# KiCad board ovc5.kicad_pcb (continued)
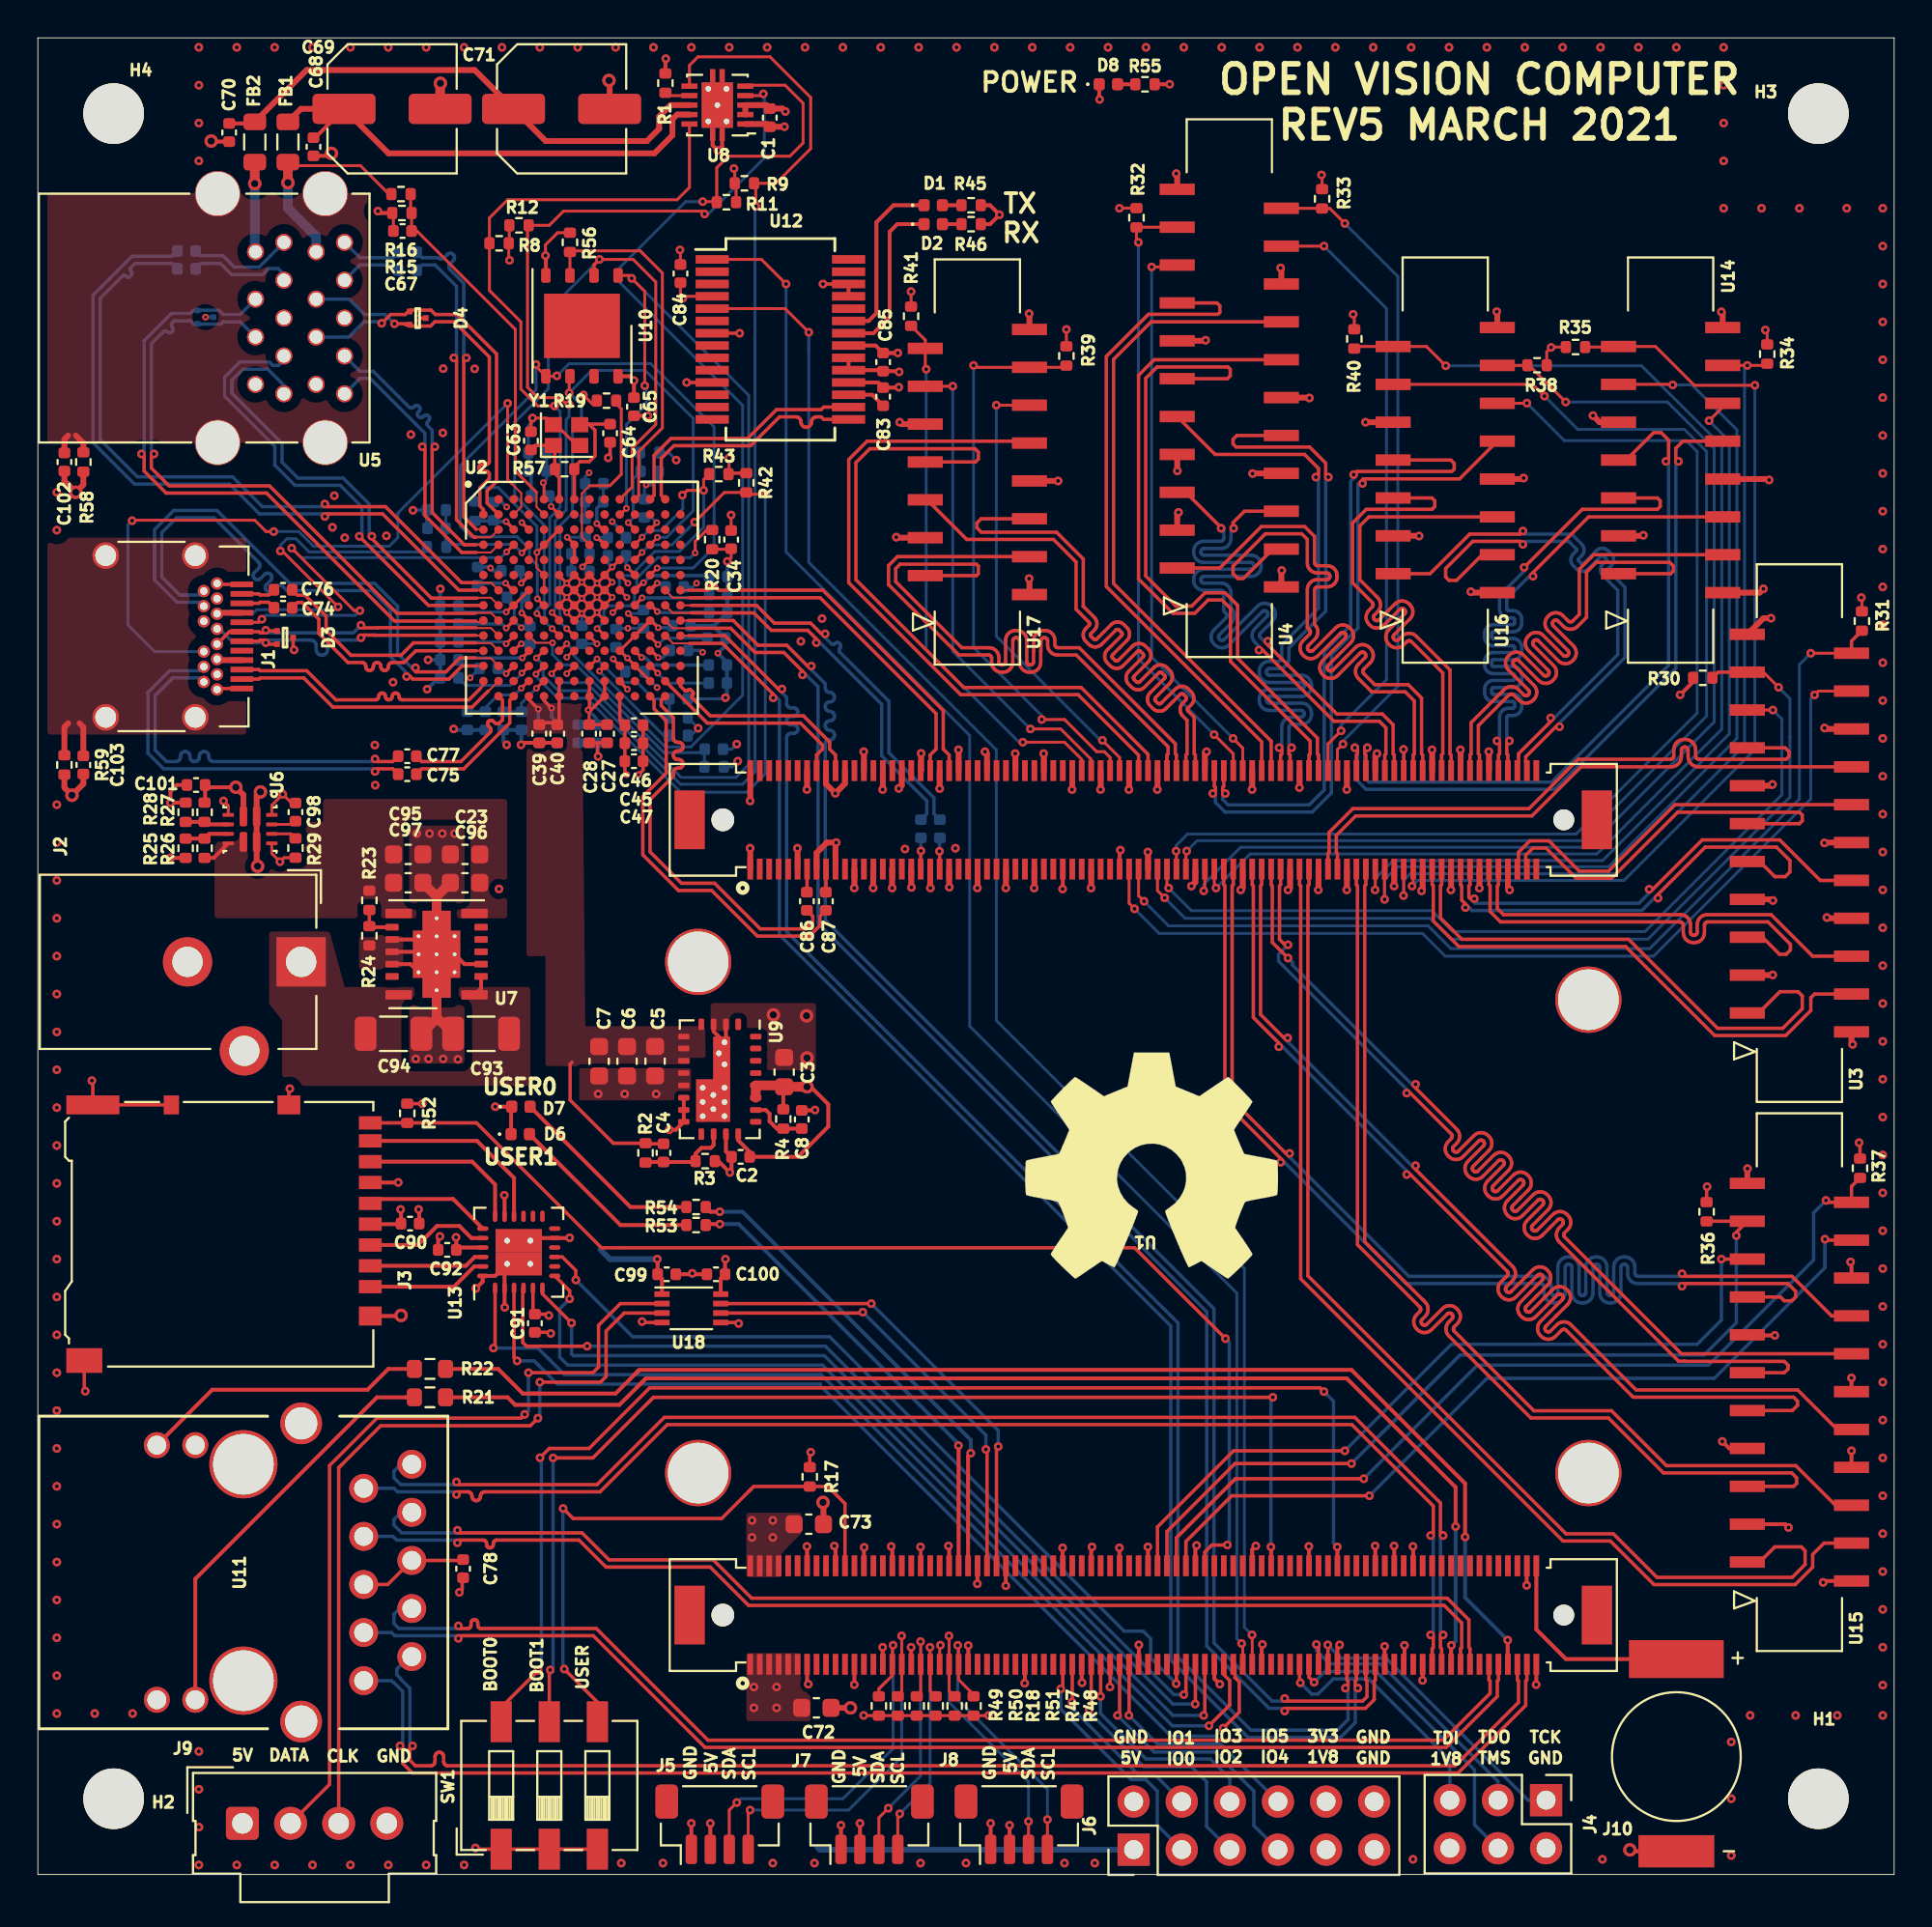
[diagram p0: board, top side]
## Routing (per net, layer and track width the routed paths; a pad name or vN(x,y) marks a point on that pad's centre or on a via; arc(x,y) is an arc through that point) (continued)
/USB/VBUS_MON_P0: length 6.8
  Top w0.152: 25.92,70.17 v2(25.55,69.8)
  Top w0.178: 25.92,70.17 U2.D4 25.92,70.25
  Bottom w0.152: v2(25.55,69.8) 25.1,70.25 21.7,70.25 R13.1 21.53,70.14 C66.1 21.54,71.11 R14.2
/USB/VBUS_MON_P1: length 20
  Top w0.102: U2.B5 26.33,72.22 26.33,73
  Top w0.152: R15.1 19.68,87.8 R16.2 C67.1 20.01,86.8 25.21,81.61 25.21,74.41 25.2,74.4 25.2,74.12 26.33,73
/USB/VBUS_SW_0: length 26
  Top w0.203: C69.1 14.64,91.73 C68.1
  Top w0.305: U8.9 33.75,92.95 33.5,92.7 33.5,91.85 32.55,90.9 18.51,90.9 C69.1 13.89,93.25 FB1.1
/USB/VBUS_SW_1: length 28.2
  Top w0.203: C70.1 11.37,92.48 FB2.1
  Top w0.305: U8.8 33.4,93.45 32.8,92.85 32.8,92.2 32.15,91.55 26.81,91.55 C71.1 23.06,95.3 14.19,95.3 FB2.1
/USB/VDD10: length 5.1
  Top w0.152: v2(31.17,66.6) 31.52,66.25 U2.J11
  Top w0.178: U2.F11 31.13,69.02 v2(31.12,69.02) ; U2.F4 25.92,68.6 v2(25.52,68.2) ; v2(25.55,66.62) 25.92,66.25 U2.J4
  Bottom w0.152: C61.1 31.79,66.6 v2(31.17,66.6)
  Bottom w0.178: C62.1 31.05,69.09 v2(31.12,69.02) ; C59.1 25.52,68.75 v2(25.52,68.2) ; v2(25.55,66.62) 25.55,67.3
GND: length 316.8
  Top w0.152: C67.2 18.77,87.69 R16.1 ; U2.H7 28.32,67 v2(28.72,66.6) ; U2.H7 28.3,67.03 v2(27.92,66.65) ; U2.H7 28.32,67.05 v2(27.92,67.45) ; U2.H7 28.35,67.03 v2(28.72,67.4) ; U6.9 12.35,53.92 v1(12.78,53.49) 12.99,53.7 R29.2 ; U2.H8 29.14,67.03 v2(29.52,66.65) ; U2.H8 29.09,67.03 v2(28.72,67.4) ; U2.H8 29.12,67.05 v2(29.52,67.45) ; U2.H8 29.12,67 v2(28.72,66.6) ; v2(28.72,68.25) 29.1,68.63 U2.F8 29.52,68.23 v2(29.52,68.2) ; v2(28.72,68.25) 28.34,68.63 U2.F7 28.32,68.6 v2(27.92,68.2) ; v2(28.72,68.25) 28.32,67.85 U2.G7 ; v2(28.72,68.25) 29.12,67.85 U2.G8 ; 29.52,77.67 29.27,77.67 v1(28.8,78.14) ; U6.12 12.35,56.47 v1(12.93,57.05) 13.39,56.59 C98.2 ; U2.G9 29.9,67.83 v2(29.52,67.45) ; U2.G9 29.94,67.83 v2(30.32,67.45) 29.92,67.05 ; U2.G9 29.92,67.85 v2(30.32,68.25) 29.94,68.63 U2.F9 ; U2.G9 29.89,67.83 v2(29.52,68.2) ; v1(26.11,76.92) 26.86,76.92 ; v2(27.92,68.2) 27.52,68.6 U2.F6 ; v2(27.92,68.2) 28.29,67.83 U2.G7 ; v2(27.92,68.2) 27.55,67.83 U2.G6 27.54,67.83 v2(27.92,67.45) ; v2(28.72,66.6) 28.69,66.6 U2.J7 28.32,66.25 v2(27.92,66.65) ; v2(28.72,66.6) 29.09,66.23 U2.J8 29.12,66.25 v2(29.52,66.65) ; 26.85,76.7 27.2,76.35 27.35,76.35 ; U2.G8 29.14,67.83 v2(29.52,67.45) ; U2.G8 29.12,67.8 v2(28.72,67.4) ; U2.G8 29.15,67.83 v2(29.52,68.2) ; U2.G7 28.3,67.83 v2(27.92,67.45) ; U2.G7 28.32,67.8 v2(28.72,67.4) ; 28.46,75.47 27.36,76.57 ; v2(27.92,67.45) 27.52,67.05 U2.H6 27.54,67.03 v2(27.92,66.65) ; v2(29.52,67.45) 29.92,67.05 ; 29.92,67.05 U2.H9 29.9,67.03 v2(29.52,66.65) ; v2(29.52,66.65) 29.52,66.63 U2.J9 29.95,66.23 ; U2.F9 29.92,68.65 v2(30.32,69.05) 30.7,69.43 U2.E10 ; U2.F9 29.92,68.6 v2(29.52,68.2) ; R56.2 27.44,86.71 26.8,86.07 v1(26.8,85.5) ; v1(36.4,69.35) 36.6,69.55 C34.2 36.57,69.99 R20.2 ; C84.1 33.92,85.78 v1(33.9,85.8) ; 28.6,75.25 28.45,75.25 ; U6.3 10.05,56.45 v1(9.8,56.7)
  Top w0.178: SW1.3 SW1.2 SW1.1 23.16,1.33 v1(23.1,1.4) ; v1(31.9,29.2) 31.95,29.15 U18.4 ; J1.A12 9.51,62.63 J1.B1 ; J3.11 13.25,41.38 ; J1.B12 9.51,68.13 J1.A1 ; v1(2.5,25.53) 2.45,25.58 J3.11 ; C63.1 26.03,76.84 v1(26.11,76.92) ; C64.2 30.21,74.92 v1(30.11,74.82) ; 13.48,65.33 13.48,64.72 v1(13.52,64.67) ; v1(22.25,14.9) 22.4,15.05 22.4,15.88 ; C46.2 C45.2 C47.2 31.95,58.33 v2(31.71,58.09) ; v1(37,29.1) 36.95,29.15 U18.5 ; C91.1 27.02,28.63 v1(27.08,28.58) ; U12.11 v1(34.25,78.8) ; v2(31.12,62.6) 30.72,63 U2.N10 ; U12.7 v1(37.05,81.4) ; U12.26 v1(41.45,84) ; C27.2 C28.2 ; v1(2.85,41.92) 2.9,41.88 J3.11 J3.10 ; 29.55,59.77 29.55,59.08 ; 20.48,82.2 v2(20.05,82.2)
  Top w0.203: J7.1 v1(42.4,2.6) ; U1.A139 72.15,11.14 v1(72.15,12.1) ; U7.12 19.67,48.08 U7.15 ; v1(19.02,36.55) 19.02,36.55 J3.6 ; U1.A80 57.1,16.31 v1(57.1,17.25) ; U1.A99 62.11,10.34 v1(62.4,10.05) ; U1.A166 78.6,16.29 v1(78.6,15.27) ; v1(41.03,40.38) 41.01,40.36 C8.2 ; v1(91.7,28.47) 90.28,28.47 U15.14 ; U1.A71 55.11,10.14 v1(55.12,10.12) ; v1(94.25,15.42) 94.32,15.5 U15.1 ; v1(7,53.7) 7.01,53.69 R26.2 ; U1.A32 45.11,17.27 v1(45.05,17.33) ; v1(40.6,17.33) 40.61,17.31 U1.A14 ; v1(20.1,35.12) 20.13,35.09 C90.1 ; v1(32.21,77.03) 32.2,77.04 C65.2 ; v1(24.65,29.95) 24.64,29.96 U13.2 24.64,32.11 U13.25 24.14,31.61 U13.24 23.49,31.31 v1(23.12,30.95) ; U12.18 44.36,78.8 C83.1 45.43,78.53 v1(45.45,78.55) ; v1(64.3,17.35) 64.11,17.16 U1.A108 ; v1(73.1,10.25) 73.11,10.26 U1.A143 ; v1(40.67,10.05) 40.61,10.11 U1.A13 ; v1(46.1,12) 46.1,11.11 U1.A35 ; U9.15 36.33,38.19 C2.2 36.62,37.17 v1(36.53,37.08) 35.93,37.67 R3.2 ; U15.4 92.25,18.5 v1(92.42,18.33) ; v1(71.6,17.35) 71.61,17.34 U1.A138 ; U15.8 89.3,22.5 v1(88.93,22.87) ; U1.A47 49.12,11.11 v1(49.12,12.09) ; C100.2 34.6,31.7 v1(34.55,31.75) 34.5,31.7 C99.1 ; v1(71.1,12.05) 71.1,11.11 U1.A135 ; v1(68.72,12.12) 68.61,12.01 U1.A125 ; R1.2 33.13,95.88 v1(33.15,95.9) ; v1(64.65,12.15) 64.61,12.11 U1.A109 ; v1(26.8,85.5) 26.82,85.48 U10.4 ; 17.55,29.5 19.15,29.5 v3(19.17,29.53) ; v1(56.05,93.75) 56.03,93.77 D8.1 ; R16.1 18.05,87.75 v1(17.95,87.85) ; v1(25.5,59.66) 25.61,59.77 C39.2 ; v3(84.05,1.3) 84.12,1.22 86.75,1.22 ; U1.A59 52.11,10.11 v1(52.1,10.1) ; v1(67.1,17.33) 67.11,17.31 U1.A120 ; U15.7 v1(95.75,22.38) ; v1(24.15,40.55) D7.1 24.98,40.52 D6.1 ; v1(72.6,17.33) 72.61,17.31 U1.A142 ; U12.26 U12.25 ; v1(28.08,33.62) 28.06,33.61 U13.11 26.14,33.61 U13.25 ; R28.2 7.01,56.61 v1(7,56.6) 7,57.2 7.34,57.54 C101.2 ; v1(42.05,17.35) 42.11,17.29 U1.A20 ; v1(21.23,33.7) 21.13,33.61 C92.2 ; J5.1 v1(34.5,2.7) ; U9.3 35.67,44.53 U9.25 36.33,44.03 U9.2 ; v1(54.1,17.25) 54.1,16.31 U1.A68 ; U7.15 19.97,48.73 U7.11 ; v1(48.08,17.35) 48.11,17.31 U1.A44 ; C68.2 15.37,90.77 v3(15.5,90.9) ; v1(13.3,41.5) 13.25,41.45 13.25,41.38 ; C39.2 26.17,59.77 ; C39.2 C40.2 ; U1.A167 79.11,10.03 v1(79.1,10.03) ; v1(70.6,17.35) 70.61,17.34 U1.A134 ; v3(9.15,91.55) 9.18,91.52 C70.2 ; U1.A83 58.12,11.11 v1(58.12,12.12) ; U1.A96 61.11,17.31 v1(61.17,17.38) ; U7.10 19.93,49.38 U7.15 ; 21.92,44.45 21.05,45.33 U7.15 21.05,45.25 20.25,44.45 ; v1(43.1,10.03) 43.11,10.03 U1.A23 ; U15.11 v1(95.75,26.22) ; U15.17 95.75,32.3 v1(95.7,32.35) ; U8.11 36.12,91.28 v1(35.9,91.05) 35.62,91.33 U8.11 ; U7.15 22.52,48.08 U7.3 ; U12.21 44.23,80.75 C85.2 45.39,80.35 v1(45.4,80.36) ; v1(51.1,15.25) 51.1,16.29 U1.A56 ; J8.1 v1(50.3,2.7)
  Top w0.305: U1.B82 57.61,57.31 v1(57.6,57.3) ; v1(52.6,52.1) 52.61,52.11 U1.B61 ; U3.11 94.34,54.5 v1(94.32,54.48) ; U1.B2 37.61,56.71 v1(37.6,56.7) ; v1(43.6,59.3) 43.61,59.29 U1.B26 ; v1(44.1,52.1) 44.1,53.09 U1.B27 ; U4.7 64.14,74 v1(64.13,73.99) ; v1(45.45,57.36) 45.61,57.52 U1.B34 ; v1(61.7,59.3) 61.61,59.21 U1.B98 ; U17.4 45.35,70.6 v1(45.32,70.63) ; v1(40.1,54.2) 40.11,54.19 U1.B11 ; U1.B137 71.61,52.21 v1(71.6,52.2) ; U3.17 94.38,60.5 v1(94.33,60.55) ; U1.B15 41.11,53.95 41.66,54.5 v1(42.15,54.5) 42.11,54.46 U1.B19 ; v3(30.15,94.75) 30.19,94.71 C71.2 ; U1.B39 47.11,52.11 v1(47.12,52.1) ; U4.1 65.65,68.85 v1(65.67,68.87) ; U1.B161 77.61,52.09 v1(77.7,52) ; v1(54.6,57.3) 54.61,57.31 U1.B70 ; v1(39.42,92.31) 39.41,92.31 C1.2 38.5,92.45 U8.1 ; U3.1 95.75,43.9 v1(95.81,43.84) ; v1(84.76,70.73) 84.73,70.7 U14.4 ; U1.B22 42.61,57.61 v1(42.1,57.1) 41.61,57.59 U1.B18 ; v1(91.58,57.57) 91.51,57.5 U3.14 ; R58.2 2.4,73.4 v3(2,73) 1.4,73.6 C102.1 ; v1(45.5,76.7) 45.6,76.6 U17.10 ; v1(91.59,47.51) 91.58,47.5 U3.4 ; U16.10 v1(70.09,76.7) ; v1(45.1,52.1) 45.1,53.09 U1.B31 ; U4.11 67.11,78 v1(67.13,77.98) ; v1(66.6,57.4) 66.61,57.41 U1.B118 ; U1.B38 46.63,58.32 v1(46.63,59.21) ; R59.2 1.4,57.4 v3(1.8,57) 2.4,57.6 C103.1 ; U1.B158 76.61,59.29 v1(76.6,59.3) ; U1.B46 48.61,59.39 v1(48.6,59.4) ; v1(37.6,54.2) 37.61,54.19 U1.B1 ; U4.8 60.15,74.14 v1(60.16,74.13) ; v1(78.44,73.75) 78.39,73.7 U16.7 ; v1(91.1,67.9) 90.9,67.7 U14.1 ; v1(91.6,51.44) 91.54,51.5 U3.8 ; v1(94.45,50.54) 94.49,50.5 U3.7 ; U17.1 52.35,68.42 v1(52.33,68.44) ; v1(63.5,52) 63.61,52.11 U1.B105 ; v1(82.1,77.05) 82.45,76.7 U14.10 ; v1(60.22,71.94) 60.15,71.87 U4.4 ; U1.B35 46.11,52.14 v1(46.12,52.13) ; C73.2 41.47,19.62 v3(41.45,19.65) ; U1.B149 74.61,52.01 v1(74.6,52) ; v1(61.65,81.03) 61.62,81 U4.14 ; U1.B121 67.61,52.01 v1(67.6,52) ; U1.B49 49.61,52.11 v1(49.6,52.1) ; U1.B14 40.61,57.31 v1(40.6,57.3) ; U16.4 72.91,70.7 v1(72.92,70.69) ; v1(44.6,57.3) 44.6,57.44 44.61,57.45 U1.B30 ; v1(75.65,67.75) 75.7,67.7 U16.1 ; C72.2 v3(42.9,8.8) ; v1(43.1,52.1) 43.11,52.11 U1.B23 ; U1.B58 51.61,59.19 v1(51.6,59.2) ; v1(47.61,57.35) U1.B42 ; U1.B134 70.61,59.11 v1(70.7,59.2) ; U17.7 v1(53.86,73.6) ; U1.B43 48.11,52.15 v1(48.12,52.14) ; U4.17 65.65,84.81 v1(65.61,84.85) ; U1.B73 55.61,52.11 v1(55.6,52.1) ; v1(58.6,54) 58.61,53.99 U1.B85 ; v1(91.4,73.65) 91.35,73.7 U14.7 ; U1.B146 73.61,59.39 v1(73.6,59.4)
  Top w0.508: U7.15 21.05,51.65 ; 21.05,51.65 C96.2 ; 21.05,51.65 C97.2 ; C69.2 21.24,94.59 v3(21.25,94.6) ; C94.2 21.05,45.2 U7.15 21.05,45.28 C93.2
  Bottom w0.152: C9.2 36.24,62.09 v1(36.3,62.15) ; C36.2 28.9,72.49 C56.2 C55.2 28.89,73.82 v2(29.1,74.03) ; R14.1 20.52,71.15 C66.2 ; C24.2 v2(28.72,66.6) ; C61.2 v2(31.15,65.82) 30.71,65.82 30.52,65.63 ; C57.2 24.77,67.28 ; 24.77,67.28 25.15,66.9 25.15,66.2 25.5,65.85 v2(25.52,65.85) 25.6,65.93 C48.2 ; 24.77,67.28 24.97,67.09 ; v2(22.82,63.2) 23.32,63.7 C54.2 ; v1(36.9,59.7) 36.63,59.43 C11.2 ; C49.2 28.17,68.83 C51.2 28.16,68.44 v2(27.92,68.2) ; v2(32.12,73.4) 32.02,73.3 C42.2 ; C52.2 34.58,68 v2(34.78,68.2) 34.77,68.19 ; 36.03,59.22 36.03,59.6
  Bottom w0.178: R10.2 32.03,63.35 v2(32.69,62.69) ; C35.2 26.04,73.97 C60.2 ; C53.2 35,64.65 v2(35.1,64.55) ; v2(32.12,73.4) 32.4,73.4 32.78,73.78 C10.2 ; 26.1,76.7 25.89,76.49 C58.2 ; v2(30.32,71.45) 31.05,70.72 C33.2 ; C41.2 24.49,72.48 v2(24.75,72.22) ; C62.2 30.09,69.28 v2(30.32,69.05) ; C50.2 23.84,69.05 v2(23.9,69) 24.05,68.85 C59.2 ; R14.1 19.81,72.06 v1(19.8,72.05)
  Bottom w0.203: C12.2 C13.2 21.15,63.2 v1(20.55,62.6) ; C12.2 20.6,64.15 v1(20.6,64.15) ; C12.2 C21.2 C14.2 C15.2 21.24,67.89 v1(21.25,67.9) ; C25.2 C26.2 ; 25.65,60.33 C30.2 ; C30.2 C29.2 24.58,59.84 v1(24.75,59.66) ; C30.2 25.52,59.68 v1(25.5,59.66) ; v1(36.3,62.15) 36.38,62.23 C18.2 C19.2 36.38,64.02 v2(35.9,64.5) 36.3,64.9 C20.2 35.65,65.95 35.55,65.95 ; 29.55,59.77 29.55,59.08 ; v1(36.4,69.35) C22.2 C17.2 C16.2 35.7,65.95 35.55,65.95 ; 25.64,59.77 C39.2 C40.2 ; 35.55,65.95 C44.2 ; v1(21.95,60.5) 22,60.45 C31.2 C32.2 ; D5.3 v2(8.85,82.25) ; C58.2 C60.2
  vias: v1(1,73) v1(1,71) v1(1,56.5) v1(1,54.5) v1(1,52.5) v1(1,50.5) v1(1,48.5) v1(1,46.5) v1(1,44.5) v1(1,42.5) v1(1,40.5) v1(1,38.5) v1(1,36.5) v1(1,34.5) v1(1,32.5) v1(1,30.5) v1(1,28.5) v1(1,26.5) v1(1,24.5) v1(1,22.5) v1(1,20.5) v1(1,18.5) v1(1,16.5) v1(1,14.5) v1(1,12.5) v1(1,10.5) v1(1,8.5) v1(3,8.5) v1(5,8.5) v1(8.5,96.5) v1(8.5,94.5) v1(8.5,92.5) v1(8.5,90.5) v1(8.5,6.5) v1(8.5,4.5) v1(8.5,2.5) v1(8.5,0.5) v1(10.5,96.5) v1(10.5,0.5) v1(12.5,96.5) v1(12.5,0.5) v1(14.5,96.5) v1(14.5,0.5) v1(15.55,71.15) v1(15.65,72.82) v1(16.2,70.6) v1(16.5,96.5) v1(16.5,0.5) v1(17.79,59.65) v1(17.81,57.53) v1(18.4,70.7) v1(18.5,96.5) v1(18.5,0.5) v1(18.75,62.97) v1(19.69,76.05) v1(20,54.97) v1(19.95,43.08) v1(20.5,96.5) v1(20.5,0.5) v1(20.62,43.08) v1(20.67,54.97) v1(21.4,79.53) v1(21.38,76.14) v1(21.35,54.97) v1(21.4,43.08) v1(22,54.97) v1(22.17,43.05) v1(22.5,96.5) v1(22.5,0.5) v1(23.06,79.52) v1(24.34,52.05) v1(24.5,96.5) v1(26.5,96.5) v1(28.5,96.5) v1(29.58,59.05) v1(29.58,41.22) v1(30.5,96.5) v1(30.8,0.6) v1(30.98,41.22) v1(32.5,96.5) v1(32.64,41.22) v1(33,0.6) v1(34.5,96.5) v1(36.5,96.5) v1(38.5,96.5) v1(38.8,0.6) v1(40.28,65.13) v1(40.5,96.5) v1(41,0.6) v1(41.4,66.33) v1(42.5,96.5) v1(44.5,96.5) v1(45.78,54.16) v1(46.5,96.5) v1(46.6,0.6) v1(48.44,54.2) v1(48.5,96.5) v1(49,0.6) v1(50.5,96.5) v1(52.5,96.5) v1(54.2,0.6) v1(54.5,96.5) v1(55.8,0.6) v1(56.5,96.5) v1(58.5,96.5) v1(60.5,96.5) v1(62.5,96.5) v1(64.5,96.5) v1(66.5,96.5) v1(68.5,96.5) v1(70.5,96.5) v1(72.5,96.5) v1(72.6,0.8) v1(74.5,96.5) v1(76.5,96.5) v1(78.5,96.5) v1(80.5,96.5) v1(82.5,96.5) v1(82.6,0.8) v1(84.5,96.5) v1(86.5,96.5) v1(89,96.5) v1(89,94.5) v1(89,92.5) v1(89,90.5) v1(89,88) v1(89.4,7) v1(89.4,4) v1(89.4,1) v1(90.4,8.4) v1(91,88) v1(92.8,8.4) v1(93,88) v1(95,8.4) v1(95.5,88) v1(97.4,88) v1(97.4,86) v1(97.4,84) v1(97.4,82) v1(97.4,80) v1(97.4,78) v1(97.4,76) v1(97.4,74) v1(97.4,72) v1(97.4,70) v1(97.4,68) v1(97.4,66) v1(97.4,64) v1(97.4,62) v1(97.4,60) v1(97.4,58) v1(97.4,56) v1(97.4,54) v1(97.4,52) v1(97.4,50) v1(97.4,48) v1(97.4,46) v1(97.4,44) v1(97.4,42) v1(97.4,40) v1(97.4,38) v1(97.4,36) v1(97.4,34) v1(97.4,32) v1(97.4,30) v1(97.4,28) v1(97.4,26) v1(97.4,24) v1(97.4,22) v1(97.4,20) v1(97.4,18) v1(97.4,16) v1(97.4,14) v1(97.4,12) v1(97.4,10) v1(97.4,8.4) v3(38.83,45.4) v3(40.58,45.35) v3(40.61,43.12)
VBUS: length 37.5
  Top w0.152: v1(15.85,66.95) 12.9,69.9 v1(12.8,69.9)
  Top w0.203: v3(10.45,57.42) 8.95,57.42 C101.1 8.83,56.64 R27.1
  Top w0.305: U6.2 10.85,57.02 v3(10.45,57.42) ; J1.B9 9.51,66.63 J1.A4 ; J1.B4 9.51,64.13 J1.A9
  In3.Cu w0.508: J1.B4 10.45,64.19 10.46,64.18 ; v3(10.45,57.42) 10.46,57.43 10.46,66.52 10.39,66.59 J1.B9
  Bottom w0.152: J1.B9 11.34,66.59 11.55,66.8 15.7,66.8 v1(15.85,66.95) ; v1(12.8,69.9) 12.8,70.2 13.15,70.55 13.62,70.55 14.33,69.85 20.28,69.85 R13.2
/Enclustra module/BATT: length 11.7
  Top w0.203: U1.A168 79.11,12.94 80.67,11.38 86.75,11.38
/Enclustra module/JTAG_TCK: length 16
  Top w0.178: v1(68.1,12.12) 68.11,12.11 U1.A123
  Bottom w0.178: 71.08,11.42 71.08,11.42 ; 71.08,11.42 71.17,11.42 78.67,3.92 J4.1 ; 71.08,11.42 68.8,11.42 v1(68.1,12.12)
/Enclustra module/JTAG_TDI: length 13.4
  Top w0.178: U1.A117 66.61,10.17 v1(66.65,10.12)
  Bottom w0.178: J4.5 74.55,6.05 70.26,10.33 68.39,10.33 67.58,9.53 67.25,9.53 v1(66.65,10.12)
/Enclustra module/JTAG_TDO: length 14.9
  Top w0.178: U1.A121 67.61,12.04 v1(67.5,12.15)
  Bottom w0.178: v1(67.5,12.15) 67.5,11.83 68.2,11.12 70.88,11.12 77.08,4.92 J4.3
/Enclustra module/JTAG_TMS: length 16.6
  Top w0.178: v1(67.38,10.15) 67.11,10.42 U1.A119
  Bottom w0.178: v1(67.38,10.15) 67.94,10.72 70.65,10.72 75.85,5.52 75.85,2.62 J4.4
/Enclustra module/USER_LED0: length 24.6
  Top w0.203: U1.A46 48.61,22.64 v1(48.6,22.65) ; v1(36,34.35) 35.31,34.35 R53.1
  Bottom w0.203: v1(36,34.35) 37,34.35 48.6,22.75 v1(48.6,22.65)
/Enclustra module/USER_LED1: length 25.8
  Top w0.203: R54.1 35.51,35 v1(36,35) ; U1.A48 49.11,22.11 v1(49.25,22.25)
  Bottom w0.203: v1(49.25,22.25) 49.25,22.95 37.2,35 v1(36,35)
/Interfaces/FAN_CLK: length 41.9
  Top w0.178: v1(26.4,24.1) 26,23.7 18.1,23.7 15.88,21.48 ; J9.3 15.88,21.48 ; 15.88,21.48 16.05,21.65 ; v1(26.5,26) 29.7,26 30,26.3 30,28.7 30.95,29.65 U18.3
  Bottom w0.178: v1(26.5,26) 26.5,24.2 v1(26.4,24.1)
/Interfaces/FAN_DATA: length 43.3
  Top w0.178: J9.2 15.4,4.76 15.4,21.6 17.9,24.1 25.5,24.1 v1(25.7,24.3) ; v1(25.9,26.5) 29.3,26.5 29.6,26.8 29.6,29 30.75,30.15 U18.2
  Bottom w0.178: v1(25.7,24.3) 25.9,24.5 v1(25.9,26.5)
/Interfaces/RXLED: length 9
  Top w0.203: D2.1 45.37,87.16 44.97,86.76 44.97,82.26 44.11,81.4 U12.22
/Interfaces/SD_CLK: length 6.7
  Top w0.203: J3.5 17.78,35.67 21.92,35.67 U13.19
/Interfaces/SD_CMD: length 6.6
  Top w0.203: U13.20 22.89,33.61 22.25,34.25 21.08,34.25 20.07,33.25 J3.3
/Interfaces/SD_D0: length 8.8
  Top w0.203: U13.18 24.14,36.44 22.93,37.64 J3.7
/Interfaces/SD_D1: length 10.4
  Top w0.203: U13.16 25.14,36.79 23.18,38.75 J3.8
/Interfaces/SD_D2: length 6.4
  Top w0.203: U13.23 23.04,32.11 21.97,31.05 J3.1
/Interfaces/SD_D3: length 6.3
  Top w0.203: 22.59,32.14 22.69,32.24 ; 22.59,32.14 J3.2 ; 22.59,32.14 23.06,32.61 U13.22
/Interfaces/TXLED: length 9.3
  Top w0.203: D1.1 45.17,88.16 44.27,87.26 44.27,82.46 43.86,82.05 U12.23
/Power/VAUX: length 2.1
  Top w0.203: 14.24,48.5 14.24,49.39 14.2,49.42 ; U7.1 23.4,46.81 U7.2
/Power/VREG: length 1.6
  Top w0.203: U6.6 9.28,53.69 R25.1
/USB/A_SHIELD: length 2.1
  Top w0.305: R58.1 2.4,75.6 2,76 ; 1.6,76 1.4,75.8 C102.2
/USB/C_SHIELD: length 3.6
  Top w0.305: C103.2 2.4,60.6 2.2,60.8 ; R59.1 1.4,60.6 1.6,60.8
/USB/CHIPEN: length 5.5
  Top w0.152: 29.89,63.83 U2.M9 29.65,63.56 v2(29.65,63.55)
  Bottom w0.152: 32.45,60.75 29.65,63.54 v2(29.65,63.55) ; 32.45,60.75 32.49,60.7 ; 32.45,60.75 33.04,60.15 R60.2
/USB/nOVC0: length 39.4
  Top w0.152: v1(27.28,77.56) 26.39,77.56 25.5,78.45 25.5,82 23.84,83.66 R8.2 23.84,87.49 24.8,88.45 33.75,88.45 34.4,89.1 U8.10 ; U2.K6 27.52,65.43 v2(27.15,65.8)
  Bottom w0.152: v1(27.28,77.56) 27.57,77.27 27.57,72.2 27.02,71.65 27.02,67.07 26.75,66.8 26.75,66.2 v2(27.15,65.8)
/USB/nOVC1: length 61.9
  Top w0.152: U2.L5 26.7,64.63 v2(26.32,64.25) ; v1(37.9,88.1) 37.9,89.23 R9.2 38.97,89.32 40.8,91.15 40.8,93.85 38.65,96 34.85,96 34.4,95.55 U8.6
  Bottom w0.152: 37.86,76.14 37.86,58.24 37.2,57.58 33.92,57.58 28.98,62.52 27.47,62.52 26.67,63.32 26.67,63.9 v2(26.32,64.25) ; 37.86,76.14 37.86,76.46 ; 37.86,76.14 37.86,88.06 v1(37.9,88.1)
/USB/RESET_HUB: length 6.3
  Top w0.152: U2.M8 29.15,63.83 v2(29.52,64.2)
  Bottom w0.152: v2(29.52,64.2) 30.77,62.95 30.9,62.95 30.9,62.95 31.64,62.95 32.51,62.09 C9.1 33.34,61.15 R5.2
/USB/USB_DS_CC1: length 23.7
  Top w0.152: v1(13.4,70.05) 16.7,66.75 v1(17,66.75) ; v2(24.75,69.85) 25.12,70.22 U2.D3 ; J1.A5 11.66,66.13 v1(11.83,66.3)
  Bottom w0.152: v1(11.83,66.3) 12.02,66.5 16.75,66.5 v1(17,66.75) ; v2(24.75,69.85) 24.45,69.55 13.9,69.55 v1(13.4,70.05)
/USB/USB_DS_CC2: length 40.8
  Top w0.102: U2.B3 25.52,72.23 25.52,72.95 25.05,73.42
  Top w0.152: v1(12.45,70.92) 12.05,70.92 11.45,71.53 5,71.53 v1(4.98,71.5) ; 25.05,73.42 24.8,73.67 v1(24.8,77.7)
  Bottom w0.152: v1(12.45,70.92) 13.77,70.92 14.55,70.15 18.55,70.15 19,70.6 19,71.9 v1(24.8,77.7) ; J1.B5 6.16,64.59 4.75,66 4.75,71.28 v1(4.98,71.5)
/USB/USB_DS_D_N: length 17.6
  Top w0.102: U2.K1 23.14,65.43 23.12,65.45
  Top w0.178: 23.12,65.45 17.81,65.45 17.8,65.46 17.2,65.46 v1(17.06,65.32) ; J1.A7 11.67,65.13 11.73,65.19 11.89,65.19 v1(12.03,65.05) 12.11,64.97 D3.2
  Bottom w0.178: v1(17.06,65.32) 16.94,65.32 16.81,65.19 15.59,65.19 15.53,65.19 15.46,65.16 15.41,65.13 15.36,65.08 15.32,65.02 15.3,64.96 15.29,64.89 15.29,64.69 15.29,64.63 15.26,64.56 15.23,64.51 15.18,64.46 15.12,64.42 15.06,64.4 14.99,64.39 14.93,64.4 14.86,64.42 14.81,64.46 14.76,64.51 14.72,64.56 14.7,64.63 14.69,64.69 14.69,64.89 14.69,64.96 14.66,65.02 14.63,65.08 14.58,65.13 14.52,65.16 14.46,65.19 14.39,65.19 12.17,65.19 v1(12.03,65.05) 10.32,65.05 9.59,65.78 J1.B7
/USB/USB_DS_D_P: length 16.3
  Top w0.102: 23.12,65.85 23.14,65.83 23.92,65.83 U2.K2
  Top w0.178: v1(17.06,65.98) 17.2,65.84 17.94,65.84 17.95,65.85 23.12,65.85 ; J1.B6 10.11,65.63 J1.A6 11.67,65.63 11.73,65.58 11.89,65.58 v1(12.03,65.72) 12.07,65.67 D3.1
  Bottom w0.178: v1(17.06,65.98) 16.65,65.58 12.17,65.58 v1(12.03,65.72)
/USB/USB_DS_RX1_N: length 30
  Top w0.102: U2.M2 23.91,64.24 23.08,64.24 23.07,64.25
  Top w0.178: 23.07,64.25 22.27,64.25 21.54,63.51 19.96,63.51 19.93,63.54 v1(19.93,63.73)
  Bottom w0.178: v1(19.93,63.73) 19.74,63.73 18.99,64.48 18.99,66.98 17.78,68.19 13.3,68.19 9.45,72.04 7.17,72.04 6.16,71.03 6.16,68.37 7.34,67.19 8.55,67.19 J1.B10
/USB/USB_DS_RX1_P: length 30
  Top w0.102: U2.M1 23.14,63.83
  Top w0.178: 23.14,63.83 22.39,63.83 21.7,63.13 19.8,63.13 19.66,63.27 v1(19.47,63.27)
  Bottom w0.178: v1(19.47,63.27) 19.47,63.46 18.61,64.32 18.61,66.82 17.62,67.81 13.15,67.81 12.93,68.03 12.89,68.06 12.84,68.08 12.79,68.09 12.74,68.09 12.69,68.08 12.65,68.06 12.61,68.03 12.39,67.81 12.35,67.78 12.31,67.76 12.26,67.75 12.21,67.75 12.16,67.76 12.11,67.78 12.07,67.81 12.04,67.85 12.02,67.89 12.01,67.94 12.01,67.99 12.02,68.04 12.04,68.09 12.07,68.13 12.29,68.35 12.32,68.39 12.34,68.43 12.36,68.48 12.36,68.53 12.34,68.58 12.32,68.62 12.29,68.66 12.25,68.7 12.21,68.72 12.16,68.73 12.11,68.73 12.06,68.72 12.01,68.7 11.97,68.66 11.76,68.45 11.72,68.42 11.67,68.39 11.62,68.38 11.57,68.38 11.52,68.39 11.48,68.42 11.44,68.45 11.41,68.49 11.38,68.53 11.37,68.58 11.37,68.63 11.38,68.68 11.41,68.73 11.44,68.76 11.66,68.98 11.69,69.02 11.71,69.07 11.72,69.12 11.72,69.17 11.71,69.22 11.69,69.26 11.66,69.3 9.3,71.66 7.33,71.66 6.54,70.87 6.54,68.53 7.49,67.58 8.55,67.58 J1.B11
/USB/USB_DS_RX2_N: length 14.8
  Top w0.102: U2.N1 23.52,62.8 23.37,62.65
  Top w0.178: 23.37,62.65 22.76,62.04 19.24,62.04 19.2,62.04 19.16,62.06 19.13,62.08 19.1,62.11 19.08,62.14 19.07,62.18 19.06,62.22 19.06,62.22 19.06,62.26 19.04,62.3 19.02,62.33 18.99,62.36 18.96,62.38 18.92,62.39 18.88,62.4 18.84,62.39 18.81,62.38 18.77,62.36 18.74,62.33 18.72,62.3 18.71,62.26 18.71,62.22 18.71,62.22 18.7,62.18 18.69,62.14 18.67,62.11 18.64,62.08 18.6,62.06 18.57,62.04 18.53,62.04 18.49,62.04 18.45,62.06 18.42,62.08 18.39,62.11 18.37,62.14 18.35,62.18 18.35,62.22 18.35,62.22 18.35,62.26 18.33,62.3 18.31,62.33 18.28,62.36 18.25,62.38 18.21,62.39 18.17,62.4 18.13,62.39 18.1,62.38 18.06,62.36 18.03,62.33 18.01,62.3 18,62.26 17.99,62.22 17.99,62.22 17.99,62.18 17.98,62.14 17.96,62.11 17.93,62.08 17.89,62.06 17.86,62.04 17.82,62.04 15.73,62.04 14.19,63.58 11.73,63.58 11.67,63.63 J1.A10
/USB/USB_DS_RX2_P: length 14.8
  Top w0.102: U2.N2 23.79,62.5 23.77,62.5
  Top w0.178: J1.A11 11.67,63.13 11.73,63.19 14.04,63.19 15.57,61.66 22.93,61.66 23.77,62.5
/USB/USB_DS_TX1_CONN_N: length 1.8
  Top w0.178: J1.A2 11.67,67.63 11.73,67.58 12.19,67.58 C76.1
/USB/USB_DS_TX1_CONN_P: length 1.8
  Top w0.178: C74.1 12.17,67.19 11.73,67.19 11.67,67.13 J1.A3
/USB/USB_DS_TX1_N: length 13.2
  Top w0.102: 23.12,65.05 23.14,65.03 23.92,65.03 U2.L2
  Top w0.178: C76.2 13.71,67.57 14.1,67.57 15.22,66.45 15.22,65.7 16.53,64.39 19.17,64.39 19.83,65.05 23.12,65.05
/USB/USB_DS_TX1_P: length 13.2
  Top w0.102: U2.L1 23.14,64.63
  Top w0.178: C74.2 13.71,67.18 13.95,67.18 14.83,66.3 14.83,65.55 16.37,64.01 17.11,64.01 17.15,64 17.2,63.99 17.23,63.97 17.27,63.93 17.29,63.9 17.3,63.85 17.31,63.81 17.31,63.79 17.31,63.74 17.33,63.7 17.35,63.66 17.38,63.63 17.42,63.61 17.46,63.59 17.51,63.59 17.55,63.59 17.6,63.61 17.63,63.63 17.67,63.66 17.69,63.7 17.7,63.74 17.71,63.79 17.71,63.81 17.71,63.85 17.73,63.9 17.75,63.93 17.78,63.97 17.82,63.99 17.86,64 17.91,64.01 17.95,64 18,63.99 18.03,63.97 18.07,63.93 18.09,63.9 18.1,63.85 18.11,63.81 18.11,63.79 18.11,63.74 18.13,63.7 18.15,63.66 18.18,63.63 18.22,63.61 18.26,63.59 18.31,63.59 18.35,63.59 18.4,63.61 18.43,63.63 18.47,63.66 18.49,63.7 18.5,63.74 18.51,63.79 18.51,63.81 18.51,63.85 18.53,63.9 18.55,63.93 18.58,63.97 18.62,63.99 18.66,64 18.71,64.01 19.33,64.01 19.95,64.63 23.14,64.63
/USB/USB_DS_TX2_CONN_N: length 21.8
  Top w0.178: C77.1 18.74,58.78 17.94,58.78 v1(17.8,58.92)
  Bottom w0.178: 7.11,63.19 8.55,63.19 J1.B2 ; 7.11,63.19 6.19,62.27 ; 7.11,63.19 6.19,62.27 ; 6.19,62.27 6.19,59.38 6.79,58.78 7.28,58.78 7.33,58.78 7.38,58.8 7.43,58.83 7.47,58.87 7.5,58.92 7.52,58.97 7.53,59.03 7.53,59.06 7.53,59.11 7.55,59.17 7.58,59.21 7.62,59.25 7.67,59.28 7.72,59.3 7.78,59.31 7.83,59.3 7.88,59.28 7.93,59.25 7.97,59.21 8,59.17 8.02,59.11 8.03,59.06 8.03,59.03 8.03,58.97 8.05,58.92 8.08,58.87 8.12,58.83 8.17,58.8 8.22,58.78 8.28,58.78 8.33,58.78 8.38,58.8 8.43,58.83 8.47,58.87 8.5,58.92 8.52,58.97 8.53,59.03 8.53,59.06 8.53,59.11 8.55,59.17 8.58,59.21 8.62,59.25 8.67,59.28 8.72,59.3 8.78,59.31 8.83,59.3 8.88,59.28 8.93,59.25 8.97,59.21 9,59.17 9.02,59.11 9.03,59.06 9.03,59.03 9.03,58.97 9.05,58.92 9.08,58.87 9.12,58.83 9.17,58.8 9.22,58.78 9.28,58.78 17.66,58.78 v1(17.8,58.92)
/USB/USB_DS_TX2_CONN_P: length 20.5
  Top w0.178: C75.1 18.74,58.39 17.94,58.39 v1(17.8,58.25)
  Bottom w0.178: J1.B3 8.55,63.58 6.96,63.58 5.81,62.43 5.81,59.22 6.64,58.39 17.66,58.39 v1(17.8,58.25)
/USB/USB_DS_TX2_N: length 7.5
  Top w0.178: U2.P2 24.53,62.02 24.53,60.98 24.38,60.82 24.35,60.8 24.31,60.78 24.27,60.77 24.23,60.77 24.19,60.78 24.16,60.8 24.13,60.82 24.04,60.9 24.01,60.93 23.98,60.95 23.94,60.95 23.9,60.95 23.86,60.95 23.82,60.93 23.79,60.9 23.77,60.87 23.75,60.84 23.74,60.8 23.74,60.76 23.75,60.72 23.77,60.68 23.79,60.65 23.87,60.57 23.9,60.54 23.92,60.51 23.92,60.47 23.92,60.43 23.92,60.39 23.9,60.35 23.87,60.32 22.33,58.78 20.26,58.78 C77.2
/USB/USB_DS_TX2_P: length 7.5
  Top w0.178: C75.2 20.26,58.39 22.49,58.39 24.91,60.82 24.91,62.02 U2.P3
/USB/USB_H0_D_N: length 20.3
  Top w0.178: D4.2 19.58,81.9 v1(18.83,81.9) 18.83,81.99 ; D4.2 19.69,81.78 20.73,81.78 20.96,82.01 21.97,82.01 23.83,80.15 23.83,74.65 23.83,74.61 23.82,74.57 23.8,74.53 23.77,74.51 23.73,74.49 23.7,74.47 23.66,74.47 23.46,74.47 23.42,74.46 23.38,74.45 23.35,74.43 23.32,74.4 23.3,74.37 23.28,74.33 23.28,74.29 23.28,74.25 23.3,74.21 23.32,74.18 23.35,74.15 23.38,74.13 23.42,74.12 23.46,74.11 23.66,74.11 23.7,74.11 23.73,74.09 23.77,74.07 23.8,74.05 23.82,74.01 23.83,73.97 23.83,73.93 23.83,73.73 23.33,73.23 23.33,72.28 23.52,72.09 U2.B1 ; D4.2 19.4,81.85
  Bottom w0.178: v1(18.83,81.9) 18.33,82.39 17.24,82.39 16.43,83.2 U5.11
/USB/USB_H0_D_P: length 20.1
  Top w0.178: v1(18.15,81.92) 18.62,82.39 19.39,82.39 19.55,82.55 D4.1 19.69,82.62 20.76,82.62 20.98,82.39 22.13,82.39 24.22,80.3 24.22,73.57 23.72,73.07 23.72,72.43 U2.B2
  Bottom w0.178: v1(18.15,81.92) 18.07,82.01 17.22,82.01 16.41,81.2 U5.12
/USB/USB_H0_RX_N: length 15.1
  Top w0.102: U2.D2 23.92,69.82 23.14,69.82
  Top w0.178: 23.14,69.82 22.38,69.82 20.43,71.77 20.43,75.27 v1(20.29,75.41)
  Bottom w0.178: U5.14 17,79.01 17.55,79.01 20.43,76.12 20.43,75.55 v1(20.29,75.41)
/USB/USB_H0_RX_P: length 15.1
  Top w0.102: 23.12,70.22 23.12,70.23 U2.D1
  Top w0.178: 23.12,70.22 22.52,70.22 20.82,71.93 20.82,75.27 v1(20.96,75.41)